# Altium PCB PCB-MB202-00.PcbDoc (part 6 of 7) (continued)
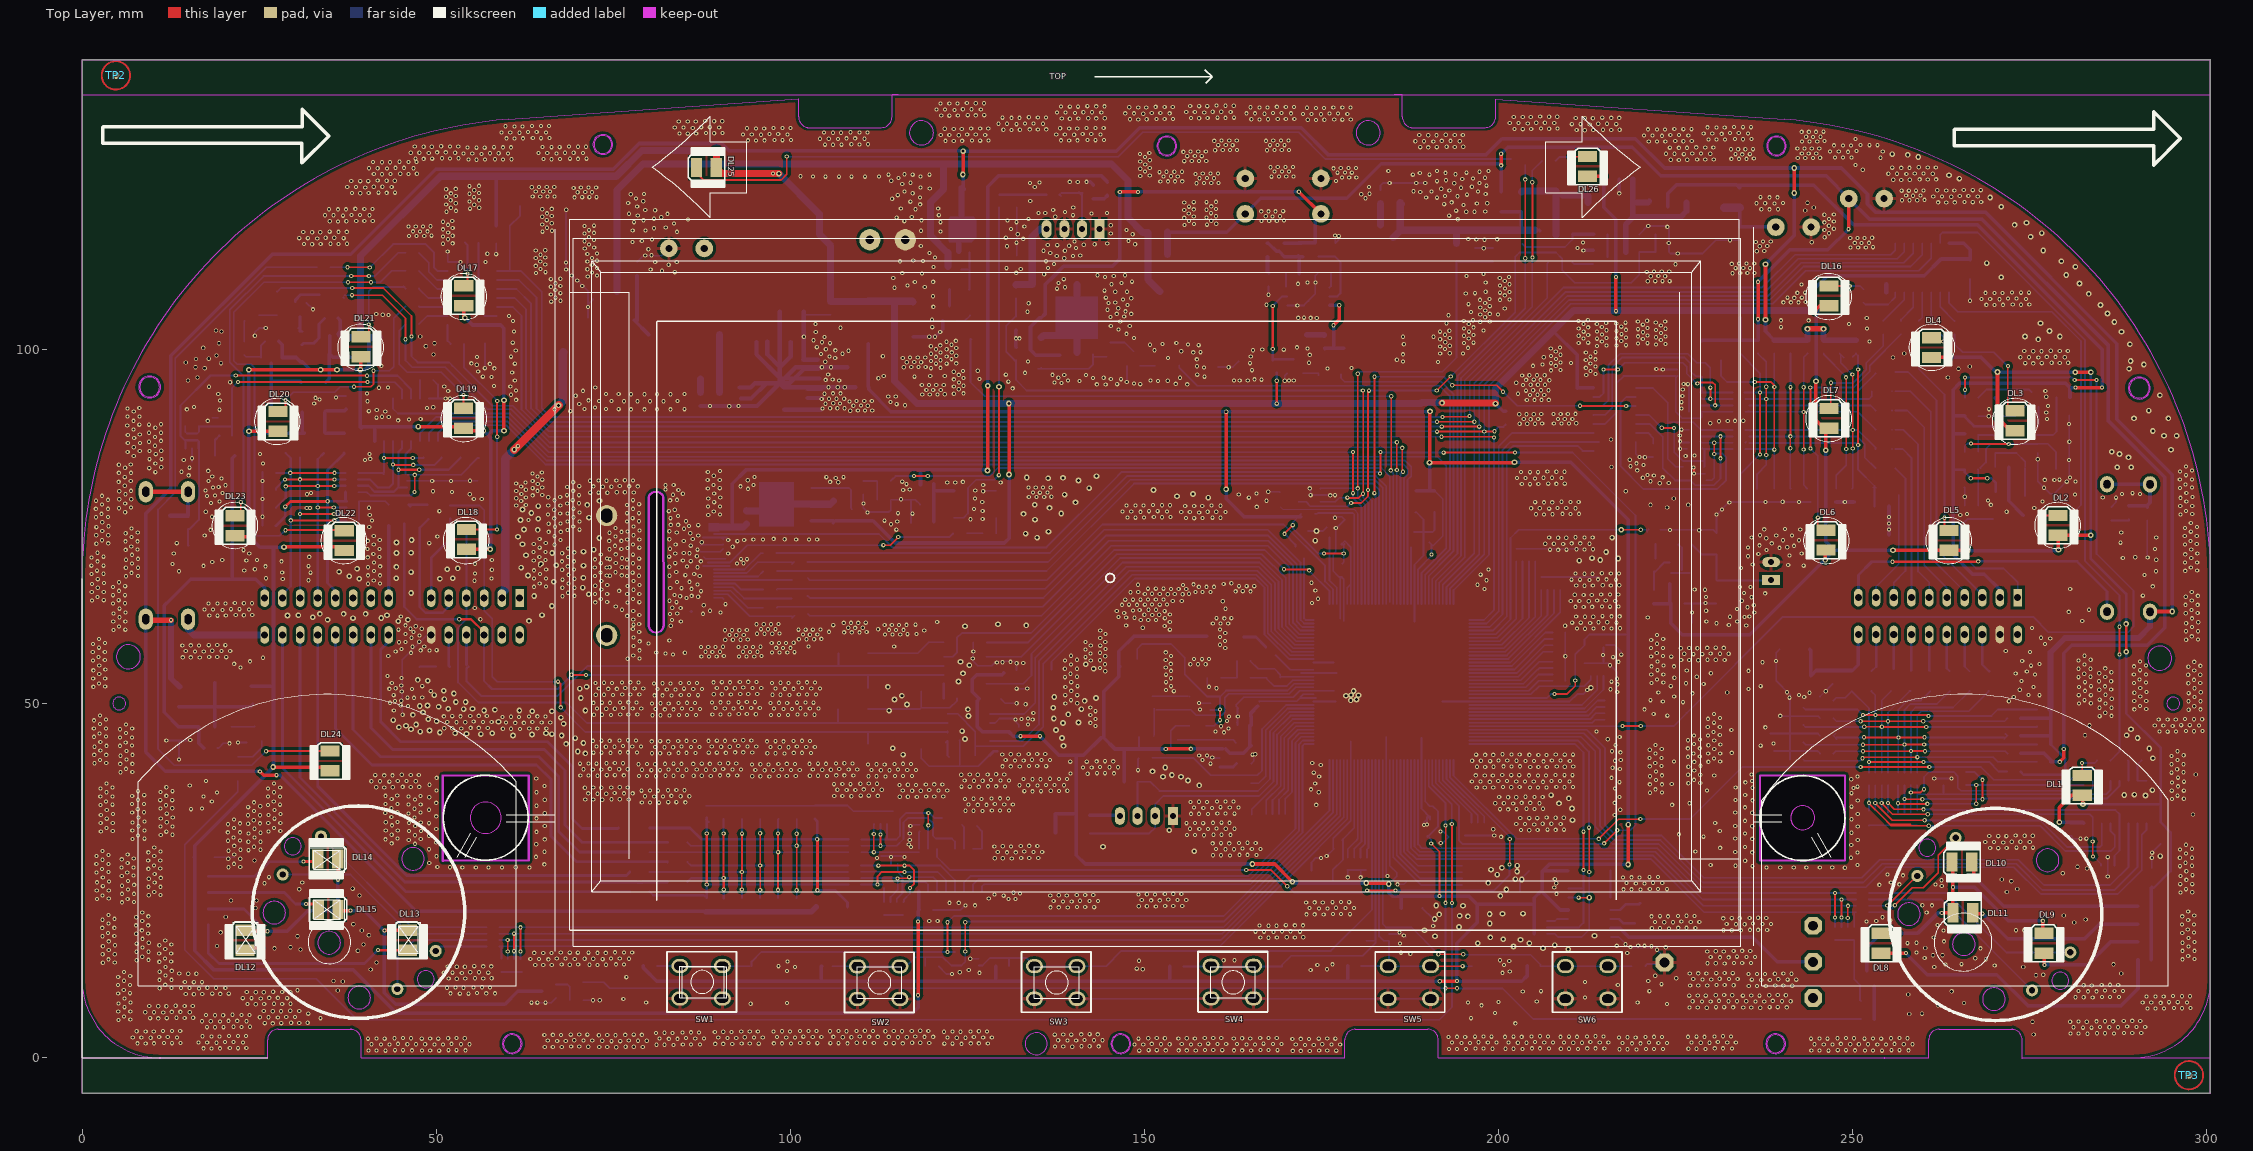
[diagram p0: Top Layer view]
## Nets (pads, with @x,y where several pads share a name; then routed paths per layer and width w, separated by ;. In a path a pad name is that pad's centre, name@x,y a point inside that pad or via, vN(x,y) a via of type N, cw(c..) or ccw(c..) an arc to the next point about the centre after c; other vN are vias at no path point) (continued)
NetL21_1: L21.1 Q21.2 Q21.4 R133.2 | length 12.9
  Bottom Layer w1: L21.1@93.815,77.292 93.841,77.267 95.859,77.267 Q21.4@96.785,78.193 ; Q21.4@96.505,78.207 Q21.2@102.705,78.207 ; Q21.2@102.985,78.193 105.632,78.193 R133.2@106.109,78.67
NetQ2_3: Q2.3 R16.1 | length 2.6
  Bottom Layer w0.4: R16.1@122.506,108.276 R16.1@122.506,108.516 ; Q2.3@122.511,106.197 R16.1@122.511,108.511
NetQ3_3: Q3.3 U12.1 | length 3.4
  Bottom Layer w0.25: U12.1@21.064,46.752 24.337,46.752 Q3.3@24.397,46.812
NetQ5_1: Q5.1 U19.1 | length 2.8
  Bottom Layer w0.25: U19.1@276.209,89.235 276.314,89.34 Q5.1@276.314,91.973
NetQ5_2: Q5.2 R93.1 R96.1 | length 9.9
  Bottom Layer w0.25: R96.1@267.831,93.218 269.024,94.412 272.072,94.412 ; R93.1@272.072,93.243 272.072,94.412 ; 272.072,94.412 Q5.2@274.943,94.412 ; Q5.2@274.943,94.412 Q5.2@275.349,94.005 Q5.2@274.943,94.412
NetQ8_1: Q8.1 R171.1 R174.1 | length 11.5
  Bottom Layer w0.25: R171.1@134.989,97.333 142.177,97.333 142.786,97.942 Q8.1@142.786,99.022 ; R171.1@135.446,97.46 R171.1@135.497,97.409 ; Q8.1@142.786,99.39 Q8.1@142.786,99.022 ; R174.1@144.729,99.022 Q8.1@142.786,99.022
NetQ8_2: Q8.2 R25.1 R169.2 | length 12.7
  Bottom Layer w1: R169.2@135.471,101.721 135.757,102.006 137.783,102.006 ; Q8.2@139.206,104.527 139.901,105.222 140.5,104.623 Q8.2@140.5,99.621 ; Q8.2@140.5,105.821 R25.1@140.5,109.22
NetQ9_3: Q9.3 R116.1 | length 2
  Bottom Layer w0.3: R116.1@222.212,70.536 Q9.3@222.212,72.542
NetQ11_1: Q11.1 R75.2 R78.1 | length 4.6
  Bottom Layer w0.5: R75.2@253.147,5.487 Q11.1@253.147,10.137
NetQ12_1: Q12.1 R76.2 R79.1 | length 4
  Bottom Layer w0.25: Q12.1@66.952,10.373 68.543,10.373 68.875,10.041 R79.1@68.875,8.136
NetQ13_3: Q13.3 R84.2 | length 2.7
  Bottom Layer w0.4: R84.2@30.62,103.043 R84.2@31.052,102.611 ; R84.2@30.798,102.616 Q13.3@30.798,104.704
NetQ14_1: Q14.1 R81.2 R84.1 | length 5.9
  Bottom Layer w0.4: R84.1@31.052,100.711 31.28,100.94 32.728,100.94 33.465,101.676 Q14.1@33.465,102.21 33.465,103.652 R81.2@34.257,104.445
NetQ16_3: Q16.3 R128.1 | length 3
  Bottom Layer w0.25: R128.1@22.898,101.168 22.898,104.038 Q16.3@22.975,104.115
NetQ17_1: Q17.1 R57.2 R128.2 | length 5
  Bottom Layer w0.25: R128.2@22.898,99.268 23.157,99.009 25.159,99.009 Q17.1@25.253,98.915 25.253,100.571 R57.2@25.875,101.194
NetQ19_1: Q19.1 R135.2 R136.2 | length 4.6
  Bottom Layer w0.25: Q19.1@110.325,81.483 R135.2@112.311,81.483 ; R136.2@112.311,78.816 R135.2@112.311,81.432
NetQ19_3: Q19.3 Q21.1 R134.2 | length 8.5
  Bottom Layer w0.25: Q21.1@102.985,80.493 Q19.3@108.268,80.493 ; Q19.3@108.293,80.518 108.598,80.213 108.598,77.617 R134.2@108.725,77.49
NetQ20_3: Q20.3 R130.2 U300.3 | length 13.3
  Top Layer w0.3: v1(168.161,100.127) v1(168.161,106.197)
  Bottom Layer w0.3: R130.2@168.161,98.471 R130.2@168.161,98.674 ; v1(168.161,100.127) R130.2@168.161,98.674 ; v1(168.161,106.197) 169.511,107.547 U300.3@170.2,107.547 ; Q20.3@171.082,98.704 171.052,98.674 R130.2@168.161,98.674
NetQ22_3: Q22.3 R174.2 | length 3.8
  Bottom Layer w0.25: R174.2@145.225,101.036 147.262,101.036 Q22.3@148.501,99.797
NetQ25_1: Q25.1 R115.2 R116.2 | length 5.4
  Bottom Layer w0.3: R115.2@221.984,66.06 R116.2@221.984,68.661 222.166,68.661 223.485,69.98 Q25.1@224.219,69.98
NetQ25_2: Q25.2 R114.2 | length 6.3
  Bottom Layer w0.3: Q25.2@224.444,68.48 Q25.2@226.994,68.48 ; R114.2@225.468,72.492 225.921,72.039 Q25.2@225.921,68.885
NetQ26_1: Q26.1 R102.1 R105.1 | length 11.3
  Bottom Layer w0.25: R102.1@203.391,114.986 203.848,114.529 209.436,114.529 210.484,115.577 Q26.1@210.484,116.228
  Bottom Layer w0.5: Q26.1@210.563,116.307 R105.1@213.525,116.307
NetQ26_2: Q26.2 R22.1 R62.2 | length 15.7
  Bottom Layer w1: R62.2@203.285,122.318 203.395,122.428 Q26.2@208.184,122.428 208.184,120.929 Q26.2@208.184,116.228 ; Q26.2@209.124,121.869 212.535,121.869 212.713,121.691 R22.1@212.713,120.802
NetQ27_3: Q27.3 R105.2 | length 3.2
  Bottom Layer w0.25: Q27.3@215.456,113.106 R105.2@215.456,116.276
NetQ39_1: Q39.1 R16.2 R110.1 | length 6.4
  Bottom Layer w0.3: R110.1@124.196,111.356 124.216,111.336 125.326,111.336 ; R16.2@125.306,108.516 125.326,108.536 125.326,111.336 ; Q39.1@125.326,113.736 125.326,111.336
NetR7_2: R7.2 U10.81 | length 24.2
  Bottom Layer w0.15: R7.2@169.197,77.851 169.578,77.47 179.667,77.47 180.187,76.95 180.187,76.759
  Bottom Layer w0.2: U10.81@180.187,64.093 180.187,76.759
NetR9_1: R9.1 U10.75 | length 9.8
  Bottom Layer w0.25: R9.1@176.162,73.508 176.162,67.462 177.187,66.437 U10.75@177.187,64.093
NetR10_2: R10.2 U10.44 | length 19.1
  Bottom Layer w0.25: R10.2@165.189,34.361 165.189,35.128 168.779,38.718 168.779,39.726 ; 168.779,39.525 168.779,39.726 ; U10.44@173.937,47.843 170.947,47.843 168.779,45.676 168.779,39.726
NetR14_2: R14.2 U10.47 | length 17
  Bottom Layer w0.25: R14.2@165.108,38.786 166.154,38.786 167.17,39.802 167.17,46.253 170.26,49.343 U10.47@173.937,49.343
NetR17_1: R17.1 R18.1 U12.2 U12.4 | length 16.8
  Bottom Layer w0.5: R17.1@13.627,49.606 18.764,49.606 ; U12.2@18.764,46.752 18.764,49.606 ; U12.4@18.764,52.952 18.764,49.606 ; R18.1@24.118,49.911 23.813,49.606 18.764,49.606
NetR21_1: R21.1 U10.61 | length 51.6
  Bottom Layer w0.25: R21.1@136.919,54.864 136.919,55.931 148.705,67.716 165.697,67.716 167.017,66.397 167.017,59.767 170.441,56.343 U10.61@173.937,56.343
NetR33_1: R33.1 U6.1 U6.8 | length 8.5
  Bottom Layer w0.2: U6.8@154.694,44.901 U6.8@155.097,44.901 U6.1@161.097,44.901 162.604,44.901 R33.1@163.034,44.471
NetR34_1: R34.1 U6.7 | length 6.3
  Bottom Layer w0.2: U6.7@154.694,43.631 154.079,43.631 153.785,43.926 153.785,46.228 154.47,46.913 R34.1@156.437,46.913
NetR35_1: R35.1 U6.4 | length 2.5
  Bottom Layer w0.4: U6.4@160.694,41.091 U6.4@161.097,41.091 162.574,41.091 R35.1@163.044,41.561
NetR53_1: R53.1 U13.3 | length 3.7
  Bottom Layer w0.4: U13.3@164.062,59.433 165.776,59.433 R53.1@167.17,58.039
NetR53_2: R53.2 U10.58 | length 6.3
  Bottom Layer w0.2: R53.2@168.487,56.943 R53.2@168.511,56.92 ; R53.2@168.551,56.96 170.667,54.843 U10.58@173.937,54.843
NetR87_1: R87.1 U5.6 | length 2.6
  Bottom Layer w0.25: U5.6@47.714,93.116 R87.1@47.714,95.733
NetR88_1: R88.1 U17.6 | length 3.5
  Bottom Layer w0.25: U17.6@219.445,88.266 221.169,88.266 221.907,87.528 R88.1@221.907,86.766
NetR89_1: R89.1 U18.6 | length 2.9
  Bottom Layer w0.25: R89.1@288.962,42 289.039,41.923 U18.6@289.039,39.144
NetR90_1: R90.1 U20.6 | length 3.5
  Bottom Layer w0.25: R90.1@124.27,32.918 124.549,32.639 U20.6@124.549,29.54
NetR127_2: R127.2 R173.2 | length 2.6
  Bottom Layer w0.3: R173.2@286.596,75.9 R127.2@289.116,75.9 ; R127.2@289.04,76.053 R127.2@289.116,75.976
NetR142_1: R142.1 U10.72 | length 10.9
  Bottom Layer w0.25: 172.59,68.58 172.59,67.615 ; R142.1@172.59,70.577 172.59,69.367 172.59,67.615 ; U10.72@173.937,61.843 172.794,61.843 172.59,62.048 172.59,67.615
NetR143_1: R143.1 R146.2 | length 3
  Bottom Layer w0.3: R146.2@18.778,85.065 18.778,87.268 R143.1@19.368,87.859
NetR163_1: R163.1 R179.2 U300.6 | length 10.3
  Bottom Layer w0.3: R163.1@174.638,113.157 176.97,113.157 177.711,112.415 177.711,107.975 177.283,107.547 U300.6@176.2,107.547 U300.6@176.979,107.547
NetR195_2: R195.2 U300.4 | length 1.8
  Bottom Layer w0.3: U300.4@170.031,108.986 R195.2@170.031,110.754
NetR196_2: R196.2 R197.1 | length 2.4
  Bottom Layer w0.5: R196.2@167.424,113.162 167.424,111.049 R197.1@167.602,110.871
NetR233_2: R233.2 U21.8 | length 2.2
  Bottom Layer w0.25: R233.2@129.091,74.092 129.127,74.128 U21.8@129.127,76.276
NetRL23_1: RL23.1 U14.1 | length 47.6
  Bottom Layer w0.25: U14.1@263.69,108.107 263.69,106.604 264.91,105.385 278.168,105.385 282.309,101.244 282.309,78.08 RL23.1@280.835,76.606
NetRL24_1: RL24.1 U14.2 | length 4.9
  Bottom Layer w0.25: U14.2@262.42,108.107 262.42,106.096 RL24.1@264.452,104.064
NetRL25_1: RL25.1 U14.3 | length 4.3
  Bottom Layer w0.25: U14.3@261.15,108.107 261.15,104.866 RL25.1@261.927,104.089
NetRL26_1: RL26.1 U14.4 | length 4.2
  Bottom Layer w0.25: RL26.1@259.409,104.089 259.88,104.561 U14.4@259.88,108.107
NetRL27_1: RL27.1 U14.5 | length 4.7
  Bottom Layer w0.25: RL27.1@256.89,104.089 256.89,104.274 258.61,105.994 U14.5@258.61,108.107
NetRL28_1: RL28.1 U14.6 | length 5.2
  Bottom Layer w0.25: RL28.1@254.372,104.089 257.34,107.057 U14.6@257.34,108.107
NetRL29_1: RL29.1 U14.7 | length 5.7
  Bottom Layer w0.25: RL29.1@251.6,106.655 251.854,106.401 255.054,106.401 256.07,107.417 U14.7@256.07,108.107
NetRL30_1: RL30.1 U14.15 | length 89.7
  Top Layer w0.25: 287.744,60.528 287.77,60.503 v1@287.77,57.048
  Bottom Layer w0.25: U14.15@262.42,115.057 262.42,116.23 262.776,116.586 267.704,116.586 282.867,101.422 282.867,70.231 287.744,65.354 v1@287.744,60.909 ; RL30.1@286.474,41.986 287.77,43.282 v1@287.77,57.048
  other v1: 287.77,56.972 287.744,60.884
NetRL31_1: RL31.1 U22.7 | length 20.7
  Top Layer w0.25: v1(37.503,111.658) 40.602,111.658 v1(40.628,111.633)
  Bottom Layer w0.25: RL31.1@35.09,111.658 v1(37.503,111.658) ; v1(40.628,111.633) 43.93,114.935 48.527,114.935 49.695,113.767 49.695,111.658 50.229,111.125 U22.7@51.631,111.125
NetRL32_1: RL32.1 U22.6 | length 6.4
  Bottom Layer w0.25: RL32.1@47.578,113.705 48.959,112.324 48.959,111.023 50.127,109.855 U22.6@51.631,109.855
NetRL33_1: RL33.1 U22.5 | length 5.1
  Bottom Layer w0.25: RL33.1@47.578,111.179 50.172,108.585 U22.5@51.631,108.585
NetRL34_1: RL34.1 U22.4 | length 4.6
  Bottom Layer w0.25: RL34.1@47.578,108.654 48.917,107.315 U22.4@51.631,107.315
NetRL35_1: RL35.1 U22.3 | length 4.1
  Bottom Layer w0.25: RL35.1@47.578,106.128 47.661,106.045 U22.3@51.631,106.045
NetRL36_1: RL36.1 U22.2 | length 4.5
  Bottom Layer w0.25: RL36.1@47.578,103.603 48.75,104.775 U22.2@51.631,104.775
NetRL37_1: RL37.1 U22.1 | length 2.8
  Bottom Layer w0.3: U22.1@51.631,103.505 51.631,101.29 RL37.1@52.058,100.863
NetRL38_1: RL38.1 U22.15 | length 12.5
  Bottom Layer w0.25: RL38.1@55.995,115.138 55.995,105.613 56.833,104.775 U22.15@58.581,104.775
NetRP1_5: RP1.5 U10.138 | length 19.2
  Bottom Layer w0.25: U10.138@195.937,47.343 213.295,47.343 213.721,47.77 RP1.5@215.002,47.77
NetRP1_6: RP1.6 U10.137 | length 19.4
  Bottom Layer w0.25: U10.137@195.937,47.843 212.982,47.843 213.808,48.67 RP1.6@215.002,48.67
NetRP1_7: RP1.7 U10.136 | length 19.6
  Bottom Layer w0.25: U10.136@195.937,48.343 212.72,48.343 213.946,49.57 RP1.7@215.002,49.57
NetRP1_8: RP1.8 U10.135 | length 19.7
  Bottom Layer w0.25: U10.135@195.937,48.843 212.432,48.843 214.059,50.47 RP1.8@215.002,50.47
NetRP2_5: RP2.5 U10.134 | length 22
  Bottom Layer w0.25: U10.134@195.937,49.343 212.196,49.343 214.879,52.027 RP2.5@214.879,53.928
NetRP2_6: RP2.6 U10.133 | length 20.9
  Bottom Layer w0.25: U10.133@195.937,49.843 211.832,49.843 213.979,51.99 RP2.6@213.979,53.928
NetRP2_7: RP2.7 U10.130 | length 18.5
  Bottom Layer w0.25: U10.130@195.937,51.343 204.62,51.343 205.778,52.502 212.154,52.502 213.079,53.427 RP2.7@213.079,53.928
NetRP3_2: RP3.2 U7.7 | length 3.1
  Bottom Layer w0.25: RP3.2@206.902,19.325 208.012,19.325 208.302,19.615 U7.7@209.912,19.615
NetRP4_6: RP4.6 U10.5 | length 10.8
  Bottom Layer w0.25: U10.5@191.687,42.093 191.687,39.499 191.687,39.028 196.231,34.484 RP4.6@196.231,33.194
NetRP4_7: RP4.7 U10.4 | length 10.9
  Bottom Layer w0.25: U10.4@192.187,42.093 192.187,39.71 192.187,39.235 197.131,34.291 RP4.7@197.131,33.194
NetRP4_8: RP4.8 U10.3 | length 11.1
  Bottom Layer w0.25: U10.3@192.687,42.093 192.687,39.442 198.031,34.098 RP4.8@198.031,33.194
NetRP7_5: RP7.5 U10.28 | length 14.4
  Bottom Layer w0.2: 179.892,30.628 180.187,30.924 U10.28@180.187,42.093 U10.28@180.187,42.083
  Bottom Layer w0.25: RP7.5@178.771,28.318 178.771,29.507 179.892,30.628
NetRP7_6: RP7.6 U10.27 | length 14.5
  Bottom Layer w0.25: RP7.6@179.671,28.318 179.671,29.518 180.687,30.535 180.687,37.44 ; 180.687,37.186 180.687,37.44 ; U10.27@180.687,42.093 180.687,37.44
NetRP7_7: RP7.7 U10.26 | length 15.5
  Bottom Layer w0.25: RP7.7@180.571,28.318 180.571,29.58 180.963,29.972 181.187,30.196 181.187,38.456 ; 181.187,36.982 181.187,38.456 ; U10.26@181.187,42.093 181.187,38.456
NetRP7_8: RP7.8 U10.25 | length 14.2
  Bottom Layer w0.25: RP7.8@181.471,28.318 181.471,29.439 181.687,29.655 181.687,36.347 ; 181.687,36.033 181.687,36.347 ; U10.25@181.687,42.093 181.687,36.347
NetRP13_5: RP13.5 U10.18 | length 25.1
  Bottom Layer w0.25: U10.18@185.187,42.093 185.187,28.313 189.073,24.427 RP13.5@194.936,24.427
NetRP13_6: RP13.6 U10.17 | length 24.1
  Bottom Layer w0.25: U10.17@185.687,42.093 185.687,28.626 188.986,25.327 RP13.6@194.936,25.327
NetRP13_7: RP13.7 U10.16 | length 23.1
  Bottom Layer w0.25: U10.16@186.187,42.093 186.187,28.837 188.797,26.227 RP13.7@194.936,26.227
NetRP13_8: RP13.8 U10.15 | length 22
  Bottom Layer w0.25: U10.15@186.687,42.093 186.687,29.124 188.684,27.127 RP13.8@194.936,27.127
NetRP14_5: RP14.5 U10.129 | length 12.4
  Bottom Layer w0.25: U10.129@195.937,51.843 204.307,51.843 205.72,53.256 RP14.5@207.712,53.256
NetRP14_6: RP14.6 U10.128 | length 12.5
  Bottom Layer w0.25: U10.128@195.937,52.343 203.918,52.343 205.731,54.156 RP14.6@207.712,54.156
NetRP14_7: RP14.7 U10.127 | length 13.2
  Bottom Layer w0.25: U10.127@195.937,52.843 203.58,52.843 205.321,54.585 ; 205.704,54.967 205.321,54.585 ; RP14.7@207.712,55.056 205.793,55.056 205.321,54.585
NetRP14_8: RP14.8 U10.126 | length 12.9
  Bottom Layer w0.25: U10.126@195.937,53.343 203.216,53.343 203.272,53.399 203.272,53.42 205.808,55.956 RP14.8@207.712,55.956
NetRP16_5: RP16.5 U10.43 | length 17.3
  Bottom Layer w0.25: RP16.5@167.239,34.414 167.239,36.365 169.279,38.405 169.279,45.396 171.227,47.343 U10.43@173.937,47.343
NetRP16_6: RP16.6 U10.42 | length 16.3
  Bottom Layer w0.25: RP16.6@168.139,34.414 168.139,36.427 169.779,38.067 169.779,45.176 171.447,46.843 U10.42@173.937,46.843
NetRP16_7: RP16.7 U10.41 | length 15.3
  Bottom Layer w0.25: RP16.7@169.039,34.414 169.039,36.489 170.357,37.807 170.357,45.02 171.68,46.343 173.266,46.343 U10.41@173.937,46.343
NetRP16_8: RP16.8 U10.40 | length 14.4
  Bottom Layer w0.25: RP16.8@169.939,34.414 169.939,36.601 170.879,37.541 170.879,44.806 171.917,45.843 172.276,45.843 ; 172.149,45.843 172.276,45.843 ; U10.40@173.937,45.843 172.276,45.843
NetRP27_5: RP27.5 U10.125 | length 13.2
  Bottom Layer w0.25: U10.125@195.937,53.843 202.853,53.843 206.38,57.371 RP27.5@207.687,57.371
NetRP27_6: RP27.6 U10.124 | length 13.4
  Bottom Layer w0.25: U10.124@195.937,54.343 202.616,54.343 206.544,58.271 RP27.6@207.687,58.271
NetRP27_7: RP27.7 U10.123 | length 13.5
  Bottom Layer w0.25: U10.123@195.937,54.843 202.253,54.843 206.58,59.171 RP27.7@207.687,59.171
NetRP27_8: RP27.8 U10.122 | length 13.7
  Bottom Layer w0.25: U10.122@195.937,55.343 201.94,55.343 206.667,60.071 RP27.8@207.687,60.071
NetRP28_5: RP28.5 U10.117 | length 19
  Bottom Layer w0.25: U10.117@195.937,57.843 200.808,57.843 205.253,62.288 RP28.5@205.253,70.107
NetRP28_6: RP28.6 U10.116 | length 17.9
  Bottom Layer w0.25: U10.116@195.937,58.343 200.52,58.343 204.353,62.176 RP28.6@204.353,70.107
NetRP28_7: RP28.7 U10.115 | length 16.9
  Bottom Layer w0.25: U10.115@195.937,58.843 200.233,58.843 203.453,62.063 RP28.7@203.453,70.107
NetRP28_8: RP28.8 U10.114 | length 15.8
  Bottom Layer w0.25: U10.114@195.937,59.343 199.895,59.343 202.553,62.001 RP28.8@202.553,70.107
NetRP30_5: RP30.5 U10.121 | length 19
  Bottom Layer w0.25: U10.121@195.937,55.843 201.703,55.843 208.783,62.923 RP30.5@208.783,66.12
NetRP30_6: RP30.6 U10.120 | length 17.9
  Bottom Layer w0.25: U10.120@195.937,56.343 201.441,56.343 207.883,62.785 RP30.6@207.883,66.12
NetRP30_7: RP30.7 U10.119 | length 17
  Bottom Layer w0.25: U10.119@195.937,56.843 201.23,56.843 206.983,62.597 RP30.7@206.983,66.12
NetRP30_8: RP30.8 U10.118 | length 16
  Bottom Layer w0.25: U10.118@195.937,57.343 201.019,57.343 206.083,62.408 RP30.8@206.083,66.12
NetU7_1: U7.1 YC2.2 | length 4.5
  Bottom Layer w0.35: U7.1@215.912,20.885 217.182,20.885 217.982,21.685 219.892,21.685 YC2.2@220.059,21.853
NetU7_2: U7.2 YC2.1 | length 3.6
  Bottom Layer w0.35: U7.2@215.912,19.615 217.072,19.615 217.692,18.995 YC2.1@219.272,18.995
NetU10_80: U10.80 U11.2 | length 18.8
  Bottom Layer w0.25: U11.2@174.105,76.835 174.409,76.835 174.536,76.962 179.464,76.962 179.687,76.739 179.687,75.159 ; U10.80@179.687,64.093 179.687,75.159 ; 179.687,75.557 179.687,75.159
OE: R49.2 U10.107 U14.13 U22.13 | length 265
  Top Layer w0.25: v1(191.377,88.443) 191.402,88.468 v1(198.031,88.468) 199.454,88.468 v1(199.479,88.494)
  Bottom Layer w0.25: U22.13@58.581,107.315 61.1,107.315 62.7,105.715 62.7,91.694 65.901,88.494 191.275,88.494 v1@191.3,88.519 ; U10.107@193.187,64.093 193.187,65.634 ; 193.187,66.073 193.187,65.634 ; v1(199.479,88.494) 200.104,89.118 200.734,89.118 R49.2@201.054,89.438 ; 215.049,107.036 215.761,107.036 ; 236.589,107.036 237.503,107.036 ; U14.13@259.88,115.057 259.88,113.411 258.229,111.76 243.091,111.76 238.367,107.036 237.503,107.036 ; 193.187,65.634 193.187,66.28 198.031,71.124 v1(198.031,88.468) 198.031,95.072 209.995,107.036 215.761,107.036 ; 215.761,107.036 237.503,107.036
PWM1: D16.1 U10.7 | length 247.4
  Top Layer w0.25: v1(193.459,33.02) 193.485,32.995 v1(193.485,21.869)
  Bottom Layer w0.25: D16.1@21.984,39.12 21.984,37.567 14.516,30.099 14.516,15.24 18.58,11.176 33.058,11.176 38.85,5.385 191.707,5.385 193.485,7.163 193.485,17.907 ; U10.7@190.687,42.093 190.687,38.586 193.459,35.814 v1(193.459,33.02) ; 193.485,18.466 193.485,17.907 ; v1(193.485,21.869) 193.485,17.907
PWMOUT1: C66.1 D11.2 JA1.27 R40.2 R146.1 U12.3 | length 59.6
  Bottom Layer w0.5: 11.976,64.237 11.621,63.881 11.621,48.793 C66.1@13.678,46.736 16.448,46.736 16.448,44.504 R40.2@17.188,43.764 ; 12.013,64.273 15.355,67.615 19.368,67.615 21.578,67.615 ; R146.1@21.578,85.065 21.197,84.684 21.197,67.615 24.523,67.615 25.786,66.353 JA1.27@25.786,64.937
RS0: R3.1 U1.8 U10.62 | length 80.5
  Bottom Layer w0.2: U1.8@122.211,48.571 123.654,48.571 126.134,46.091 126.134,44.013 ; 126.114,44.013 126.134,44.013 ; R3.1@126.124,42.713 126.134,42.703 126.134,44.013 ; 130.775,44.013 130.569,44.013 ; 167.492,65.602 167.492,65.354 ; U10.62@173.937,56.843 170.652,56.843 167.492,60.003 167.492,65.354 ; 126.134,44.013 130.569,44.013 ; 130.569,44.013 132.947,44.013 135.725,46.792 135.725,55.677 148.298,68.25 165.836,68.25 167.492,66.593 167.492,65.354
RS1: R4.1 U2.8 U10.73 | length 67.3
  Top Layer w0.25: v1(169.761,69.012) 169.787,68.986 173.292,68.986 v1@173.343,69.037
  Bottom Layer w0.25: U2.8@121.689,56.638 122.97,56.638 123.559,57.226 R4.1@123.559,58.699 123.559,59.309 124.244,59.995 134.023,59.995 145.758,71.73 167.043,71.73 v1(169.761,69.012) ; v1@173.343,69.037 173.317,69.012 173.317,68.986 173.317,68.758 176.187,65.888 U10.73@176.187,64.093 U10.73@176.187,64.974
  other v1: 173.317,68.859
RST: DZ6.1 DZ6.3 J1.5 R34.2 U10.54 | length 38.8
  Top Layer w0.25: v4(160.727,47.701) v4(160.727,49.193)
  Bottom Layer w0.25: J1.5@149.037,56.343 149.037,57.743 149.757,58.463 153.792,58.463 155.737,56.518 155.737,54.156 158.842,51.051 DZ6.1@159.381,51.051 160.719,51.051 160.727,51.043 ; R34.2@158.707,46.903 159.929,46.903 v4(160.727,47.701) ; DZ6.3@159.381,49.151 160.689,49.151 v4@160.707,49.133 ; v4(160.727,49.193) 160.727,51.043 ; U10.54@173.937,52.843 171.218,52.843 170.259,51.885 161.569,51.885 160.727,51.043
RXD0: R43.1 U10.45 UART.2 | length 45.7
  Bottom Layer w0.25: R43.1@142.329,31.699 150.737,31.699 151.564,32.527 UART.2@151.564,34.163 ; UART.2@151.564,33.056 UART.2@151.564,34.163 ; 168.269,39.728 168.269,39.827 ; U10.45@173.937,48.343 170.687,48.343 168.272,45.928 168.272,39.83 168.269,39.827 ; UART.2@151.564,34.163 151.564,35.829 152.718,36.982 166.256,36.982 168.269,38.996 168.269,39.827
SCL: RP3.3 U7.6 U8.6 U10.144 | length 48.2
  Top Layer w0.25: v1@212.052,26.568 v1@212.052,31.826
  Bottom Layer w0.25: U10.144@195.937,44.343 210.838,44.343 212.052,43.129 v1(212.052,31.953) ; RP3.3@206.902,18.425 209.832,18.425 U7.6@209.912,18.345 209.992,18.425 211.402,18.425 212.041,19.065 212.041,23.861 ; U8.6@209.882,23.905 211.997,23.905 212.041,23.861 ; v1@212.041,26.543 212.041,23.861
  other v1: 212.041,26.518
SCL_TW8835: R154.2 U10.87 | length 107.1
  Bottom Layer w0.25: R154.2@98.096,68.759 135.624,68.759 ; 136.031,68.759 135.624,68.759 ; U10.87@183.187,64.093 183.187,80.249 182.309,81.128 148.578,81.128 136.209,68.759 135.624,68.759
SDA: RP3.4 U7.5 U8.5 U10.143 | length 53.3
  Top Layer w0.25: v1@211.366,22.581 v1@211.417,22.631 ; v1(211.366,22.631) v1@211.417,22.631 ; v1(212.814,32.512) 212.865,32.461 v1(212.865,26.264) ; v2(212.865,22.631) v1@211.417,22.631
  Bottom Layer w0.25: U10.143@195.937,44.843 211.227,44.843 212.814,43.256 v1(212.814,32.512) ; RP3.4@206.902,17.525 207.982,17.525 208.432,17.075 U7.5@209.912,17.075 211.805,17.075 212.865,18.136 v2(212.865,22.631) v1(212.865,26.264) ; 210.833,22.635 U8.5@209.882,22.635 v1@211.312,22.635 ; v1@212.814,26.264 v1@212.814,26.391
SDA_TW8835: R155.2 U10.88 | length 103.7
  Bottom Layer w0.25: R155.2@102.456,70.029 134.938,70.029 ; 135.674,70.029 134.938,70.029 ; U10.88@183.687,64.093 183.687,80.511 182.563,81.636 148.07,81.636 136.463,70.029 134.938,70.029
SEND_DATA1: U10.108 U14.14 | length 104.9
  Bottom Layer w0.25: U10.108@193.687,64.093 193.687,66.064 198.706,71.084 198.706,88.799 198.706,94.934 210.274,106.502 238.773,106.502 243.447,111.176 259.398,111.176 261.15,112.928 U14.14@261.15,115.057
SEND_DATA2: U10.109 U22.14 | length 186.2
  Top Layer w0.25: v1(191.986,87.732) v1@199.428,87.732
  Bottom Layer w0.25: 59.881,106.045 U22.14@58.581,106.045 60.846,106.045 62.065,104.826 62.065,91.588 65.922,87.732 v1(191.986,87.732) v1@192.164,87.732 ; U10.109@195.937,61.843 198,61.843 199.428,63.271 v1(199.428,87.63) v1@199.428,87.732
SPLIT: C3.1 U1.5 | length 2.6
  Bottom Layer w0.3: U1.5@122.024,44.575 U1.5@122.211,44.761 122.211,42.727 C3.1@122.424,42.513
SW101: C55.2 DZ12.6 R11.2 SW1.1 U10.36 | length 115.8
  Top Layer w0.25: v1(122.212,14.961) v1(122.212,19.152)
  Bottom Layer w0.25: R11.2@81.186,12.986 SW1.1@84.443,12.986 ; SW1.1@84.91,12.953 84.784,12.953 84.75,12.986 SW1.1@84.443,12.986 ; C55.2@94.299,12.953 92.19,12.953 84.476,12.953 SW1.1@84.443,12.986 ; C55.2@94.557,13.137 94.557,12.954 94.557,13.594 95.923,14.961 v1(122.212,14.961) DZ12.6@123.33,14.961 ; v1(122.212,19.152) 123.101,20.041 161.252,20.041 176.187,34.975 U10.36@176.187,42.093
  Bottom Layer w1: SW1.1@84.784,12.953 SW1.1@84.807,12.976 ; SW1.1@84.784,12.976 SW1.1@84.807,12.976 ; SW1.1@84.87,13.039 SW1.1@84.807,12.976
SW102: C20.2 DZ12.4 R15.2 SW2.1 U10.35 | length 92.1
  Top Layer w0.25: v1(124.727,15.037) v1(124.727,19.152)
  Bottom Layer w0.25: R15.2@105.977,12.929 SW2.1@109.512,12.929 ; SW2.1@116.406,12.929 117.701,14.224 119.139,14.224 ; C20.2@119.093,12.929 119.093,14.178 119.139,14.224 ; DZ12.4@123.476,13.048 124.186,13.048 124.727,13.589 v1(124.727,15.037) ; DZ12.4@123.603,13.048 122.753,13.048 121.577,14.224 119.139,14.224 ; v1(124.727,19.152) 124.829,19.253 134.074,19.253 ; 133.871,19.253 134.074,19.253 ; U10.35@176.687,42.093 176.687,34.713 161.227,19.253 134.074,19.253
  Bottom Layer w0.254: SW2.1@109.481,12.918 SW2.1@115.481,12.918
SW103: C50.2 DZ12.3 R56.2 SW3.1 U10.24 | length 82.1
  Bottom Layer w0.25: DZ12.3@126.626,13.048 127.158,13.048 128.232,14.122 130.925,14.122 ; R56.2@130.92,12.954 130.92,14.117 130.925,14.122 ; U10.24@182.187,42.093 182.187,20.92 176.38,15.113 146.779,15.113 C50.2@144.62,12.954 SW3.1@140.506,12.954 SW3.1@134.506,12.954 133.338,14.122 130.925,14.122
SW104: C88.2 DZ9.4 R73.1 SW4.1 U10.23 | length 62.2
  Bottom Layer w0.25: R73.1@155.537,12.903 C88.2@169.461,12.903 169.461,13.111 170.777,14.427 180.861,14.427 182.687,16.253 U10.23@182.687,42.093 ; SW4.1@159.474,12.903 165.474,12.903 SW4.1@165.99,12.903 ; DZ9.4@181.398,16.535 182.614,16.535
SW105: C38.1 DZ9.3 R42.1 SW5.1 U10.22 | length 45.9
  Top Layer w0.25: SW5.1@190.468,12.954 194.806,12.954 v1@194.831,12.979
  Bottom Layer w0.25: R42.1@180.632,12.979 184.442,12.979 SW5.1@184.468,12.954 ; U10.22@183.187,42.093 183.187,17.156 183.815,16.528 DZ9.3@184.538,16.528 ; DZ9.3@184.563,16.528 184.563,13.049 SW5.1@184.468,12.954 ; SW5.1@190.468,12.954 SW5.1@184.468,12.954 ; v1@194.831,12.979 194.856,12.954 C38.1@196.304,12.954
  other v1: 194.983,12.954
SW106: C35.2 DZ9.1 R31.1 SW6.1 U10.21 | length 61.1
  Top Layer w0.25: v1(191.554,14.63) v1@195.11,14.63
  Bottom Layer w0.25: 183.687,36.329 183.687,36.5 ; U10.21@183.687,42.093 183.687,36.5 ; v1(191.554,14.63) 187.778,18.407 184.559,18.407 DZ9.1@184.538,18.428 184.163,18.428 183.687,18.904 183.687,36.5 ; v1@195.034,14.58 204.559,14.58 205.982,13.157 R31.1@205.982,12.979 ; R31.1@206.007,12.954 SW6.1@209.487,12.954 C35.2@218.864,12.954
  other v1: 195.06,14.63
TV1: C201.2 U21.1 | length 48.8
  Top Layer w0.25: v1(129.477,82.296) 129.502,82.321 v2(129.502,94.793)
  Bottom Layer w0.25: U21.1@123.127,76.276 124.498,76.276 125.108,76.886 125.108,80.493 126.251,81.636 128.816,81.636 v1(129.477,82.296) ; v2(129.502,94.793) C201.2@129.502,120.147
TXD0: R23.1 U10.46 UART.3 | length 38.8
  Bottom Layer w0.25: UART.3@149.064,34.163 R23.1@149.064,38.967 ; R23.1@149.111,39.014 150.864,39.014 152.184,37.694 166.078,37.694 167.769,39.385 167.769,46.135 170.478,48.843 172.417,48.843 U10.46@173.937,48.843
V: C2.2 C14.2 C83.2 C107.2 C108.2 C300.2 CP1.1 CP15.1 D2.1 D7.2 L1.1 L4.1 Q39.3 R2.1 R44.2 R71.2 R110.2 R123.2 R124.2 R176.1 R199.1 | length 410
  Top Layer w0.5: v1(200.419,126.06) v1(200.419,127.686) ; v1(236.69,109.601) 236.7,109.611 v1(236.7,104.328) ; v1(249.492,117.043) 249.492,121.336 CP1.1@249.517,121.361 ; v1(279.311,41.808) 279.87,42.367 v1(279.87,43.612)
  Bottom Layer w0.5: L1.1@77.991,104.165 L1.1@79.998,102.159 ; L1.1@78.372,104.11 C108.2@78.372,110.49 ; C83.2@153.327,116.616 161.689,116.616 CP15.1@164.275,119.202 166.459,121.387 178.626,121.387 183.503,126.263 200.216,126.263 v1(200.419,126.06) R176.1@200.419,122.301 ; v1(200.419,127.686) 201.333,128.6 218.936,128.6 222.974,124.562 246.317,124.562 CP1.1@249.517,121.361 252.464,118.415 268.389,118.415 286.195,100.609 286.195,89.941 294.12,82.017 294.12,60.753 291.66,58.293 281.013,58.293 279.87,57.15 v1(279.87,43.612) ; C2.2@228.721,101.27 228.822,101.371 234.176,101.371 R71.2@236.7,101.371 v1(236.7,104.328) ; R44.2@234.176,101.392 234.176,104.546 ; v1(236.69,109.601) 241.211,114.122 246.571,114.122 v1(249.492,117.043) ; R124.2@273.82,43.002 273.871,43.053 277.051,43.053 278.011,42.093 R123.2@278.011,41.834 278.036,41.808 v1(279.311,41.808)
  Bottom Layer w1: 75.553,108.255 D2.1@75.553,115.595 75.553,122.555 79.236,126.238 145.377,126.238 147.714,123.901 147.714,118.669 149.803,116.58 C107.2@150.559,116.58 150.559,109.906 L4.1@152.21,108.255 ; 121.636,126.187 R2.1@121.636,122.666 119.854,120.884 119.854,116.061 122.18,113.736 Q39.3@122.326,113.736 ; R110.2@122.326,111.806 Q39.3@122.326,113.656 ; L4.1@153.327,113.436 C83.2@153.327,116.616